# Altium PCB WS3.0_DISP.PcbDoc
Units mil, origin at the board's own origin, x right, y up, seen from the top; angles counter-clockwise.
Board outline 6000 x 4000 mil, 2 copper layers (Top Layer, Bottom Layer); 55 components, 50 nets, 262 pads, 71 vias.
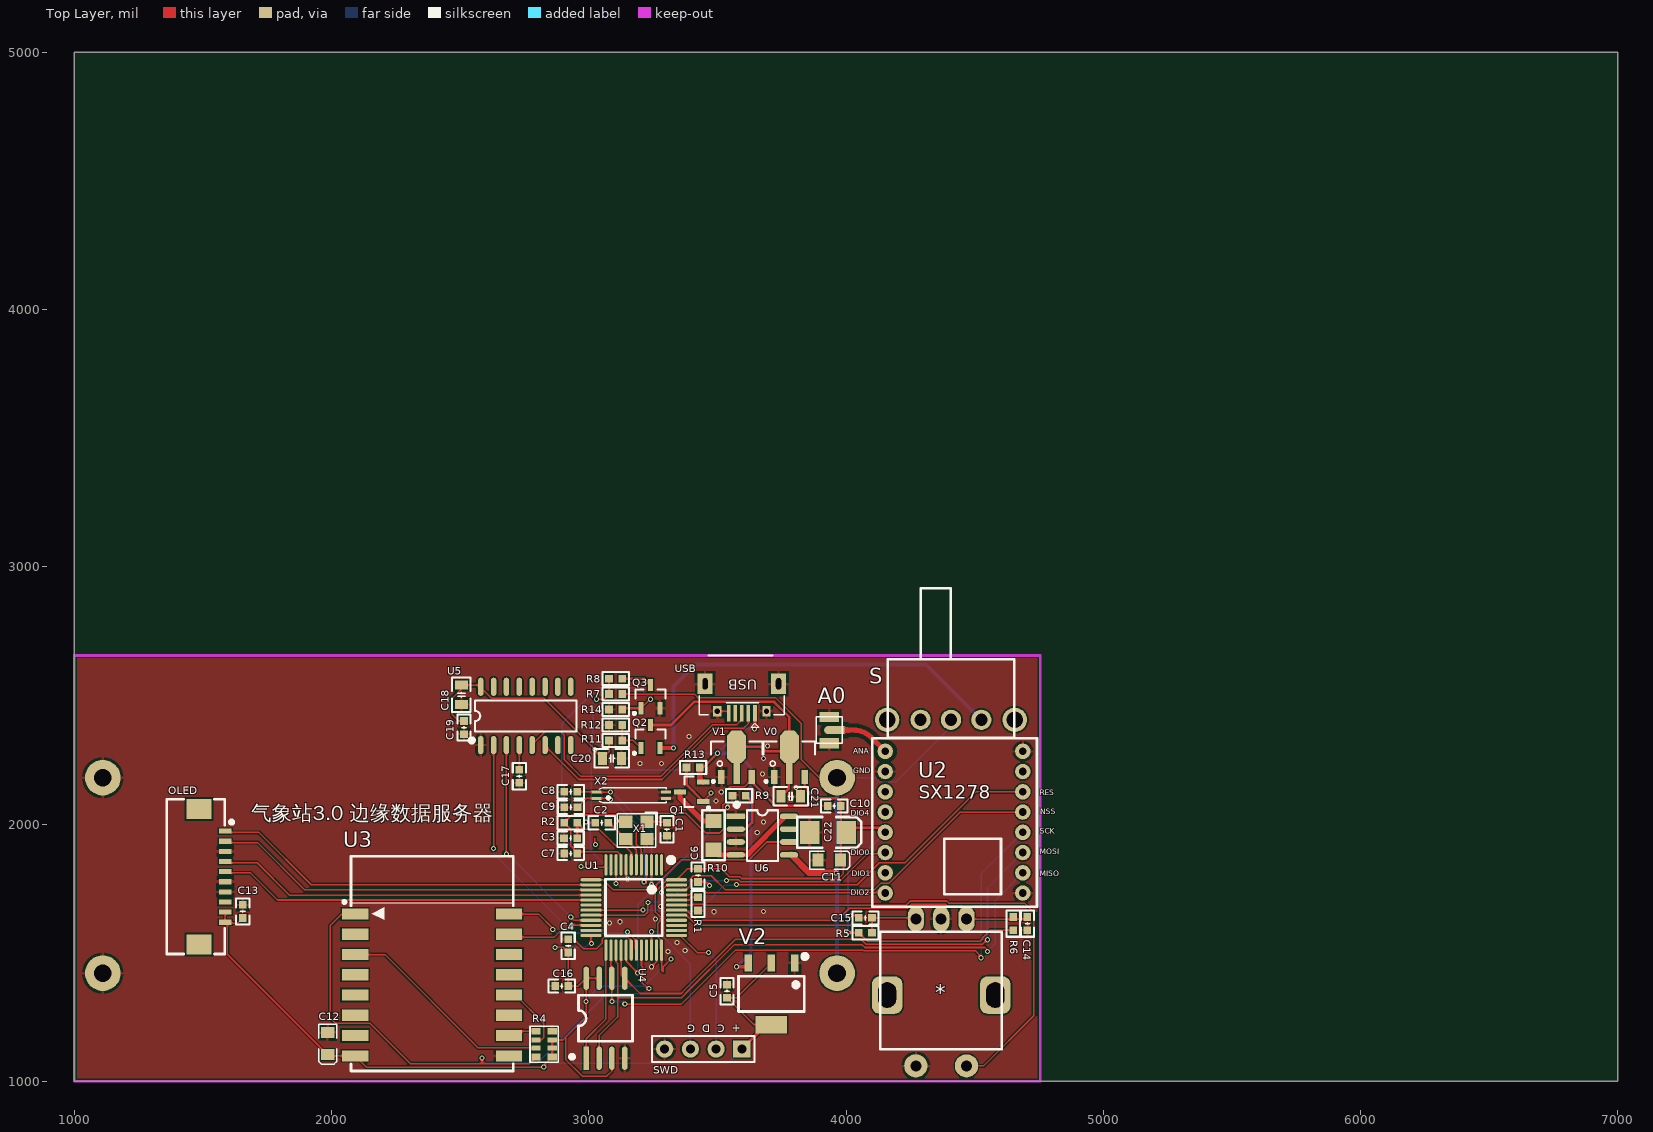
[diagram p0: Top Layer view]
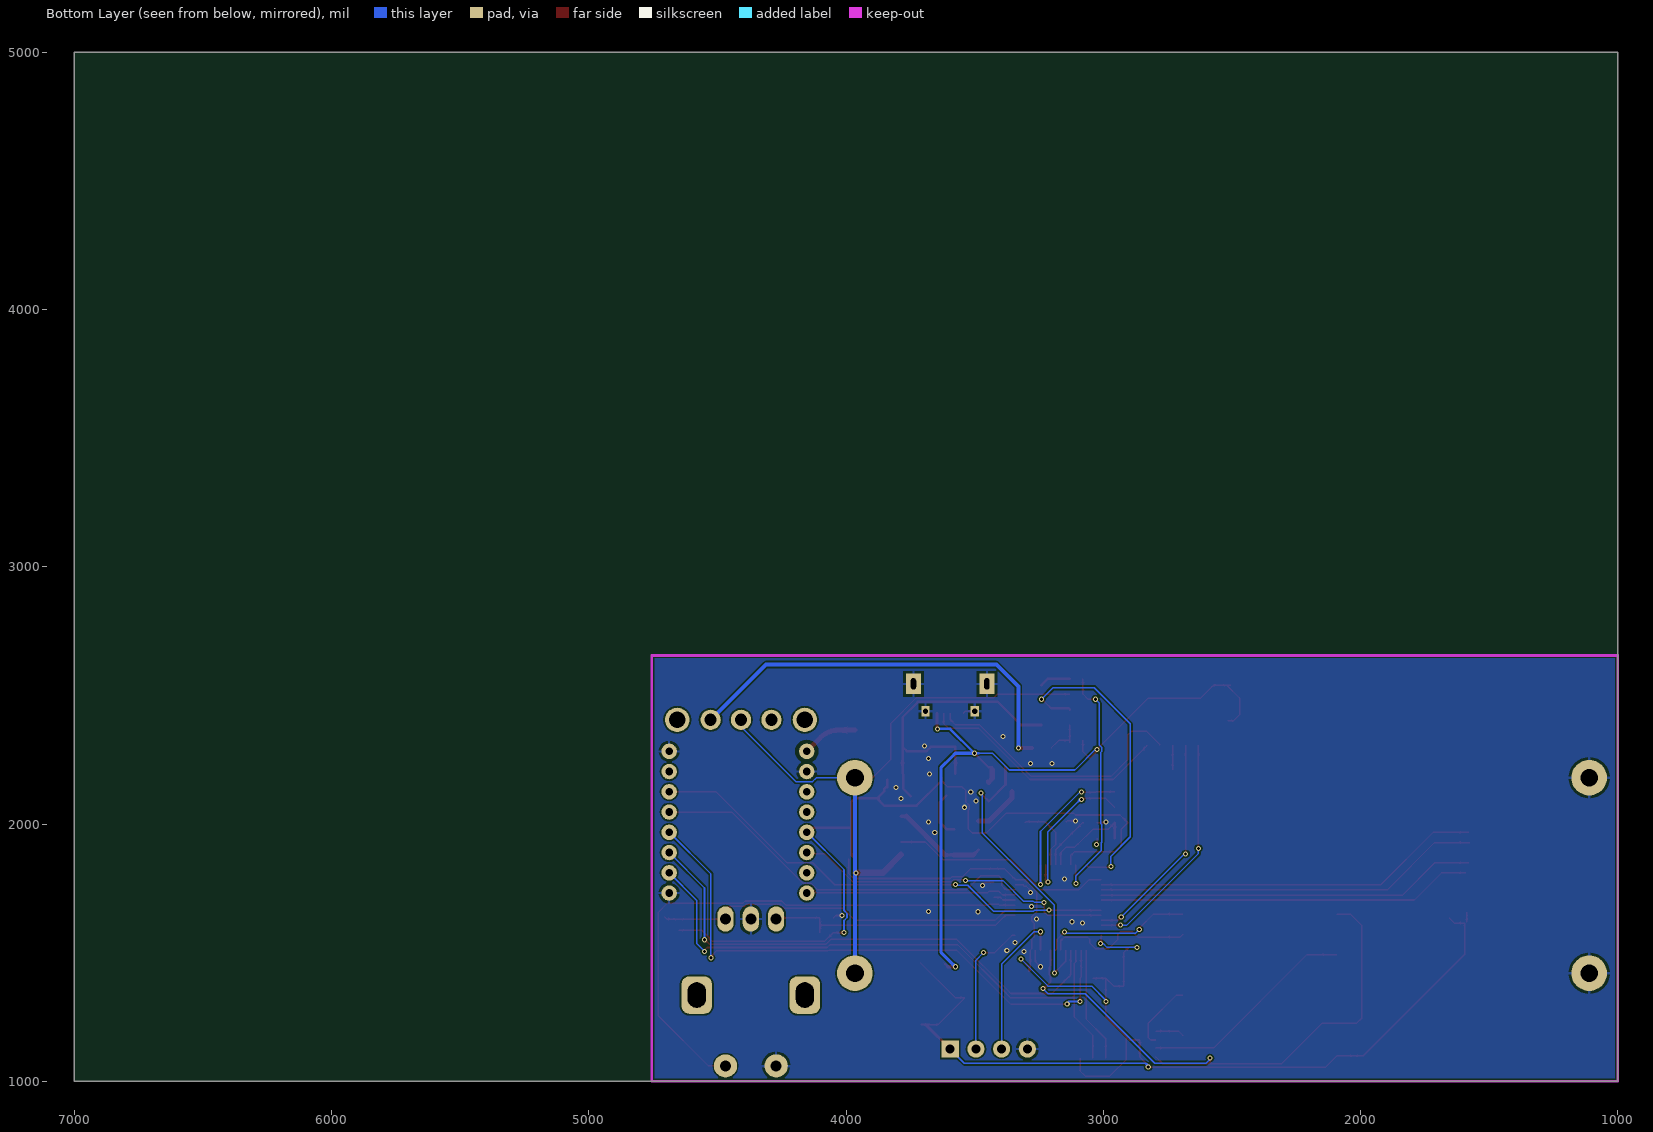
[diagram p1: Bottom Layer view, seen from below]

## Layer stack, top to bottom
Top Solder: solder mask 0.4, Solder Resist, Dk 3.5
Top Layer: signal copper 1.4
Dielectric 1: dielectric 12.6, FR-4, Dk 4.8
Bottom Layer: signal copper 1.4
Bottom Solder: solder mask 0.4, Solder Resist, Dk 3.5

## Board outline
1000,1000 7000,1000 7000,5000 1000,5000

## Design rules (kind name [scope] priority, off if disabled: settings)
Clearance Clearance_1 [InNet('NetA0_1')] p1: gap=15 ignorepadtopadclearanceinfootprint=FALSE
Clearance [All] p2: gap=6 ignorepadtopadclearanceinfootprint=FALSE
PolygonConnect PolygonConnect_1 [IsVia] p1: connectstyle=Direct reliefconductorwidth=10 reliefentries=4 polygonreliefangle="90 Angle" airgapwidth=10
PolygonConnect [All] p2: connectstyle=Relief reliefconductorwidth=10 reliefentries=4 polygonreliefangle="90 Angle" airgapwidth=10
RoutingVias [All] p1: holewidth=28 width=50 viastyle="Through Hole" minholewidth=28 minwidth=50 maxholewidth=28 maxwidth=50
SolderMaskExpansion [All] p1: expansion=4
Width [All] p1: maxlimit=120 minlimit=6 preferedwidth=10
30 further rules are at their usual default settings.

## Components (designator, comment, footprint, x,y, rotation, side; value= is the part's Value field where it differs from the comment)
* "EC11" EC11 4370,1345 r90 top
A0 "IPEX" IPEX 3935,2365 r0 top
C1 "22p" "C 0603_L" 3303.82,1979.42 r90 top
C2 "22p" "C 0603_L" 3050.59,2005 r0 top
C3 "105" "C 0603_L" 2929.41,1945 r180 top
C4 "104" "C 0603_L" 2920,1526.24 r90 top
C5 "104" "C 0603_L" 3537.47,1350 r90 top
C6 "104" "C 0603_L" 3425,1800 r270 top
C7 "104" "C 0603_L" 2930,1885 r180 top
C8 "22p" "C 0603_L" 2930,2125.17 r180 top
C9 "22p" "C 0603_L" 2930.59,2065 r180 top
C10 "104" "C 0603_L" 3954.41,2070 r180 top
C11 "10uF/6.3V" "CD S(2012)" 3935,1860 r180 top
C12 "10uF/6.3V" "CD S(2012)" 1985,1146.69 r90 top
C13 "104" "C 0603_L" 1655,1660 r270 top
C14 "104" "C 0603_L" 4705,1612.83 r270 top
C15 "104" "C 0603_L" 4075.59,1635 r0 top
C16 "104" "C 0603_L" 2895,1370 r180 top
C17 "104" "C 0603_L" 2730,2185.59 r270 top
C18 "22uF" "C 0805_L" 2505,2502.4 r90 top
C19 "104" "C 0603_L" 2515,2375 r270 top
C20 "106" "C 0805_L" 3090,2255 r0 top
C21 "106" "C 0805_L" 3785,2107.65 r0 top
C22 "220uF/6.3V" "CD B(3528)" 3930,1967.13 r180 top
OLED "FPC1.0-10P" FPC1.0-2H-WS-10P 1485,1795.16 r270 top
Q1 "AO3401" SOT23-3N 3400,2125.17 r90 top
Q2 "AO3401" SOT23-3N 3240,2340 r0 top
Q3 "AO3400" SOT23-3N 3240,2495 r0 top
R1 "10K" "R 0603_L" 3425,1689.41 r90 top
R2 "10K" "R 0603_L" 2930,2005 r0 top
R4 "4.7K" RCA-8P4R-0603 2826.5,1144.61 r90 top
R5 "10K" "R 0603_L" 4075.59,1577.18 r0 top
R6 "10K" "R 0603_L" 4650,1612.83 r270 top
R7 "100K" "R 0603_L" 3104.41,2505 r0 top
R8 "56K" "R 0603_L" 3104.41,2565 r0 top
R9 "1.2K" "R 0603_L" 3584.41,2110 r0 top
R10 "0R" "R 1206_L" 3485,1954.88 r90 top
R11 "5.6K" "R 0603_L" 3104.41,2325 r0 top
R12 "10K" "R 0603_L" 3104.41,2385 r180 top
R13 "200K" "R 0603_L" 3405.59,2220 r180 top
R14 "200K" "R 0603_L" 3104.41,2445 r0 top
S "SS-12F23" SS-12F23 4408.03,2405 r90 top
SWD "HDR-1X4" HDR2.54-LI-4P 3445,1125 r180 top
U1 "STM32F103C8" "LQFP48 7X7_M" 3175,1675 r180 top
U2 "SX1278" SX1278 4425,2020 r90 top
U3 "ESP8266-07" ESP-07 2390.79,1457.05 r0 top
U4 "W25Q128" SOP8W_N 3065,1245 r90 top
U5 "CH340C" SOP16_N 2755,2420 r90 top
U6 "TP4056" SOP8_N 3675,1955 r0 top
USB "USB-5P" USB-MICRO_A 3595,2545 r180 top
V0 "HT7333" SOT89_N 3780,2260 r0 top
V1 "HT7333" SOT89_N 3574.7,2260 r0 top
V2 "AMS1117-3V3" SOT223_L 3710,1340 r180 top
X1 "8M" "OSC 3225-4P" 3185,1975 r180 top
X2 "32.768kHz" "OSC MC-146" 3165.82,2111.8 r0 top

## Footprints (in the part's own frame and the unit in brackets; to place one, negate y for a bottom-side part, rotate by r counter-clockwise, add the part's x,y. Pads: shape width x height; smd on the part's side, far side on the other; paste and mask are expansions set on the pad)
"C 0603_L" [mil] "无极性贴片电容"
  rect 30x30 smd: 1(-25.59,0) 2(25.59,0)
  silkscreen extent -51,-26 51,26, body extent -31,-16 31,16, height 32
"C 0805_L" [mil] "无极性贴片电容"
  rect 35x50 smd: 1(-37.4,0) 2(37.4,0)
  silkscreen extent -67,-36 67,36, body extent -39,-24 39,24, height 20
"CD B(3528)" [mil] "长3.5mm，宽2.8mm，厚1.9mm"
  rect 75x90 smd: 1(-70.87,-0.01) 2(70.86,-0.01)
  silkscreen extent -130,-60 120,60, body extent -69,-55 69,55, height 75
"CD S(2012)" [mm] "长2.0mm，宽1.25mm，厚1.2mm"
  rect 1.1x1.3 smd: 1(-1.1,0) 2(1.1,0)
  silkscreen extent -2.03,-0.89 1.91,0.89, body extent -1,-0.6 1,0.6, height 1.2
EC11 [mm] "数字开关编码器"
  rrect50% 3.7x3 hole 1.8 slot 2.5 at 0 deg: 0(-0.254,5.334) 0(-0.254,-5.334)
  round 2.3 hole 1.1: 1(-7.25,2.5) 2(-7.25,-2.5)
  oval 2.5x1.6 hole 1.1: A(7.25,-2.5) B(7.25,2.5) C(7.25,0)
  silkscreen extent -5.59,-6 6,6, body extent -7.35,-6.24 7.45,6.24, height 22
ESP-07 [mm] "ESP-07"
  rect 2.6x1.1 smd: 1(-7.6,4.9) 2(-7.6,2.9) 3(-7.6,0.9) 4(-7.6,-1.1) 5(-7.6,-3.1) 6(-7.6,-5.1) 7(-7.6,-7.1) 8(-7.6,-9.1) 9(7.6,-9.1) 10(7.6,-7.1) 11(7.6,-5.1) 12(7.6,-3.1) 13(7.6,-1.1) 14(7.6,0.9) 15(7.6,2.9) 16(7.6,4.9)
  silkscreen extent -8.81,-10.6 8,10.6, body extent -8.01,-10.6 8.01,10.6, height 3.3
FPC1.0-2H-WS-10P [mm] "翻盖FPC，脚距1mm，不含脚（长14.9mm，宽5.2mm，高1.96mm）"
  rect 2x2.5 smd: 0(-6.69,0) 0(6.69,0)
  rect 0.5x1.25 smd: 1(-4.5,2.575) 2(-3.5,2.575) 3(-2.5,2.575) 4(-1.5,2.575) 5(-0.5,2.575) 6(0.5,2.575) 7(1.5,2.575) 8(2.5,2.575) 9(3.5,2.575) 10(4.5,2.575)
  silkscreen extent -7.64,-3.18 7.64,3.31, body extent -7.45,-3.15 7.45,2.85, height 2
HDR2.54-LI-4P [mm] "排针，4脚"
  rect 1.7x1.7 hole 0.9: 1(-3.81,0)
  round 1.7 hole 0.9: 2(-1.27,0) 3(1.27,0) 4(3.81,0)
  silkscreen extent -5.08,-1.27 5.08,1.27, body extent -5.08,-1.27 5.08,1.27, height 8.5
IPEX [mm]
  oval 1x0.8 smd: 1(0,0)
  rect 1.5x0.8 smd: 1(0.762,0)
  rect 1.9x1 smd: 2(0,1.3) 3(0,-1.3)
  silkscreen extent -1.3,-1.3 1.3,1.3
"LQFP48 7X7_M" [mm] "48脚，体宽7x7mm，脚距0.5mm"
  oval 0.3x2.1 smd: 1(-2.75,-4.227) 2(-2.25,-4.227) 3(-1.75,-4.227) 4(-1.25,-4.227) 5(-0.75,-4.227) 6(-0.25,-4.227) 7(0.25,-4.227) 8(0.75,-4.227) 9(1.25,-4.227) 10(1.75,-4.227) 11(2.25,-4.227) 12(2.75,-4.227) 25(2.75,4.202) 26(2.25,4.202) 27(1.75,4.202) 28(1.25,4.202) 29(0.75,4.202) 30(0.25,4.202) 31(-0.25,4.202) 32(-0.75,4.202) 33(-1.25,4.202) 34(-1.75,4.202) 35(-2.25,4.202) 36(-2.75,4.202)
  oval 2.1x0.3 smd: 13(4.227,-2.75) 14(4.227,-2.25) 15(4.227,-1.75) 16(4.227,-1.25) 17(4.227,-0.75) 18(4.227,-0.25) 19(4.227,0.25) 20(4.227,0.75) 21(4.227,1.25) 22(4.227,1.75) 23(4.227,2.25) 24(4.227,2.75) 37(-4.227,2.75) 38(-4.227,2.25) 39(-4.227,1.75) 40(-4.227,1.25) 41(-4.227,0.75) 42(-4.227,0.25) 43(-4.227,-0.25) 44(-4.227,-0.75) 45(-4.227,-1.25) 46(-4.227,-1.75) 47(-4.227,-2.25) 48(-4.227,-2.75)
  silkscreen extent -3.93,-4.95 2.79,2.79, body extent -4.5,-4.5 4.5,4.5, height 1.45
"OSC 3225-4P" [mm] "3.2*2.5*0.7mm(长宽高)"
  rect 1.3x1.2 smd: 1(-1.05,-0.85) 2(1.05,-0.85) 3(1.05,0.85) 4(-1.05,0.85)
  silkscreen extent -2.03,-1.75 1.91,1.65, body extent -1.6,-1.25 1.6,1.25, height 0.7
"OSC MC-146" [mm] "6.7mm*1.5mm*1.4mm(长*宽*高)"
  rect 1x0.3 smd: 1(-3.45,-0.3) 2(3.4,-0.3) 3(3.4,0.3) 4(-3.45,0.3)
  silkscreen extent -3.17,-0.76 3.43,0.76, body extent -3.45,-0.75 3.45,0.75, height 1.45
"R 0603_L" [mil] "1/10W贴片电阻"
  rect 30x30 smd: 1(-25.59,0) 2(25.59,0)
  silkscreen extent -51,-26 51,26, body extent -31,-16 32,16, height 16
"R 1206_L" [mil] "1/4W贴片电阻"
  rect 55x62 smd: 1(-55.12,0) 2(57.09,0)
  silkscreen extent -96,-44 98,44, body extent -63,-31 63,32, height 22
RCA-8P4R-0603 [mm] "3.2mm*1.6mm*0.6mm(长*宽*厚)"
  rect 0.65x0.9 smd: 1(-1.28,-0.8) 4(1.28,-0.8) 5(1.28,0.8) 8(-1.28,0.8)
  rect 0.5x0.9 smd: 2(-0.4,-0.8) 3(0.4,-0.8) 6(0.4,0.8) 7(-0.4,0.8)
  silkscreen extent -1.78,-1.4 1.78,1.4, body extent -1.6,-0.8 1.6,0.8, height 0.6
SOP8_N [mm] "5*6*1.8mm（长宽高）"
  rect 1.8x0.55 smd: 1(-2.625,1.905)
  oval 1.8x0.55 smd: 2(-2.625,0.635) 3(-2.625,-0.635) 4(-2.625,-1.905) 5(2.625,-1.905) 6(2.625,-0.635) 7(2.625,0.635) 8(2.625,1.905)
  silkscreen extent -2.69,-2.5 1.52,3.2, body extent -3,-2.5 3,2.5, height 1.9
SOP8W_N [mm] "5.3*8.3*1.8mm（长宽高）"
  rect 2.3x0.55 smd: 1(-3.95,1.905)
  oval 2.3x0.55 smd: 2(-3.95,0.635) 3(-3.95,-0.635) 4(-3.95,-1.905) 5(3.95,-1.905) 6(3.95,-0.635) 7(3.95,0.635) 8(3.95,1.905)
  silkscreen extent -3.94,-2.67 2.29,3.43, body extent -3.94,-2.64 3.94,2.64, height 1.9
SOP16_N [mm] "10.3*6.2*1.8mm（长宽高）"
  oval 1.8x0.55 smd: 1(-2.877,4.445) 2(-2.877,3.175) 3(-2.877,1.905) 4(-2.877,0.635) 5(-2.877,-0.635) 6(-2.877,-1.905) 7(-2.877,-3.175) 8(-2.877,-4.445) 9(2.877,-4.445) 10(2.877,-3.175) 11(2.877,-1.905) 12(2.877,-0.635) 13(2.877,0.635) 14(2.877,1.905) 15(2.877,3.175) 16(2.877,4.445)
  silkscreen extent -2.57,-5 1.52,5.49, body extent -3,-5 3,5, height 1.9
SOT23-3N [mm] "3x1.3x1mm(长宽高)"
  rect 0.5x1.2 smd: 1(-0.95,-1.143) 2(0.95,-1.143) 3(0,1.143)
  silkscreen extent -1.72,-1.78 1.5,0.7, body extent -1.5,-1.2 1.5,1.2, height 1.05
SOT89_N [mm] "4.6x4.3x1.6mm(长宽高)"
  rect 0.65x1.4 smd: 1(-1.5,-1.952) 3(1.5,-1.952)
  rect 0.65x2.1 smd: 2(0,-1.626)
  oct 1.9x3.2 smd: 2(0,1.016)
  silkscreen extent -2.54,-2.52 2.54,1.52, body extent -2.3,-2.4 2.3,1.9, height 1.6
SOT223_L [mm] "6.4x7x1.6mm(长宽高)"
  rect 0.75x1.7 smd: 1(-2.3,-3.048) 2(0,-3.048) 3(2.3,-3.048)
  rect 3.1x1.7 smd: 2(0,3.048)
  silkscreen extent -3.5,-3.88 3.25,1.75, body extent -3.25,-3.51 3.25,3.51, height 1.65
SS-12F23 [mm] "脚距3mm"
  round 2.4 hole 1.6: 0(0,6.3) 0(0,-6.3)
  round 2 hole 1.2: 1(0,3) 2(0,0) 3(0,-3)
  silkscreen extent -1.75,-6.25 13,6.25, body extent -0.61,-6.52 12.29,6.48, height 5.75
SX1278 [mil]
  round 60 hole 30: 1(-288.53,-262.5) 2(-209.79,-262.5) 3(-131.05,-262.5) 4(-52.31,-262.5) 5(26.43,-262.5) 6(105.17,-262.5) 7(183.91,-262.5) 8(262.65,-262.5) 9(262.65,272.5) 10(183.91,272.5) 11(105.17,272.5) 12(26.43,272.5) 13(-52.31,272.5) 14(-131.05,272.5) 15(-209.79,272.5) 16(-288.53,272.5)
  silkscreen extent -342,-318 313,322
USB-MICRO_A [mm] "micro型USB ，5.7*7.8*2.5mm"
  rect 0.35x1.6 smd: 1(-1.3,2.9) 2(-0.65,2.9) 3(0,2.9) 4(0.65,2.9) 5(1.3,2.9)
  rect 1.5x2 hole 0.5 slot 1.1 at 90 deg: 5(-3.625,0) 5(3.625,0)
  rect 0.8x1 hole 0.5: 5(-2.425,2.71) 5(2.425,2.71)
  silkscreen extent -4.19,-2.79 4.19,4.3, body extent -4,-2.71 4,2.89, height 2.8

## Part data
A0: library part SMA, "SMA-2.4G射频天线接口", BOM名称=SMA-2.4G, 学习资源=www.o
C1 C2 C3 C4 C5 C6 C7 C8 C9 C10 C13 C14 C15 C16 C17 C18 C19 C20 C21: library part C, "无极性贴片电容"
C11 C12 C22: library part C-CD, "贴片钽电容"
OLED: library part FPC-10P, "FPC连接器"
Q1 Q2: library part SI2301, "P沟道场效应管"
Q3: library part SI2302, "N沟道场效应管"
R1 R2 R5 R6 R7 R8 R9 R10 R11 R12 R13 R14: library part R, "贴片电阻"
R4: library part R-8P4R, "贴片网络排阻"
S: library part SSW-1P, "1路波动开关", 学习资源=ww
SWD: library part "Header 4", "4P接插件", 学习资源=ww
U1: "Flaah:64/RAM:20/IO:36", BOM名称=32, 学习资源=ww
U3: "串口 WIFI模块，ESP-07", BOM名称=WI, 学习资源=ww
U4: library part W25Qxx, "外置Flash", 学习资源=ww
U6: "锂电池充电管理"
USB: "微型USB母座", 学习资源=ww
V0 V1: library part HT71xx, "LDO线性稳压芯片", BOM名称=LD, 学习资源=ww
V2: library part AMS1117, "三端稳压芯片", BOM名称=ÎÈÑ, 学习资源=www.ooocke.
X1: library part XTAL-4P, "4脚无源晶振", 学习资源=ww
X2: library part XTAL-MC-4P, "MC系列4脚晶振", 学习资源=ww

## Free pads (board coordinates)
  round 138.74 hole 69.37: 3(1110.67,1419.84) 3(1110.67,2179.84) 3(3965.67,1419.84) 3(3965.67,2179.84)

## Via types
v1: diameter 19.68, hole 11.81, Top Layer to Bottom Layer, 71 vias

## Nets (pads, with @x,y where several pads share a name; then routed paths per layer and width w, separated by ;. In a path a pad name is that pad's centre, name@x,y a point inside that pad or via, vN(x,y) a via of type N, cw(c..) or ccw(c..) an arc to the next point about the centre after c; other vN are vias at no path point)
25Q_CS: U1.25 U4.1 | length 451.9
  Top Layer w6: U4.1 2990,1165 3066.73,1241.73 U1.25
8266_RST: R4.8 U1.32 U3.1 | length 2327.8
  Top Layer w6: U3.1 2040,1649.96 1995,1604.96 1995,1245 2015,1225 2150,1225 2306.87,1068.13 2585,1068.13 ; v1(2585,1090) 2585,1068.13 ; R4.8 2768.91,1068.13 2585,1068.13 ; U1.32 3205,1509.11 3205,1449.42 3208.84,1445.57 3208.84,1412.2 3205,1408.35 3205,1385 v1@3230,1360
  Bottom Layer w6: v1@2580,1090 2600,1070 2800,1070 3070,1340 3215,1340 v1(3235,1360)
8266RX: U1.30 U3.15 | length 596.2
  Top Layer w6: U3.15 2700.66,1560.56 2866.57,1560.56 2886.26,1580.24 2934.31,1580.24 2944,1570.55 2944,1551 2980,1515 3030,1515 3051.83,1536.83 3051.83,1551.19 3061.2,1560.56 3151.01,1560.56 3165.16,1546.41 U1.30
8266TX: U1.31 U3.16 | length 574.7
  Top Layer w6: U3.16 2805.04,1649.96 v1@2860,1595 ; v1(3150,1580) 3151.25,1580 3180.06,1551.19 3180.06,1514.68 3185,1509.74 U1.31
  Bottom Layer w6: v1(2860,1590) 2875,1575 v1@3150,1575
+5: C18.2 C19.1 C20.1 Q1.2 R11.1 R13.1 U5.16 USB.1 V2.3 | length 2876.1
  Top Layer w6: C18.2 C18.2@2520,2539.8 ; C19.1 2494.41,2400.59 2470,2425 2470,2489.8 C18.2@2520,2539.8 ; U5.16 U5.16@2580,2530.62 ; R11.1 3078.82,2281.22 C20.1 3025,2282.6 v1(3025,2290) 2826.17,2488.83 2621.79,2488.83 U5.16@2580,2530.62 ; 3604.45,1445 V2.3 ; C18.2@2520,2539.8 2570.82,2539.8 U5.16@2580,2530.62
  Top Layer w10: R13.1 3445,2220 v1(3500,2275) ; Q1.2 Q1.2@3451.21,2168.79 ; v1@3646.18,2376.18 USB.1
  Top Layer w12: v1(3575,1445) 3604.45,1445
  Top Layer w20: R13.1@3431.18,2211.18 3431.18,2176.39 Q1.2
  Bottom Layer w6: v1@3025,2295 3110,2210 3365,2210 3430,2275 v1(3500,2275)
  Bottom Layer w10: v1(3500,2275) 3595,2370 v1(3645,2370)
  Bottom Layer w12: v1(3500,2275) 3575,2275 3590,2260 3630,2220 3630,1500 v1(3575,1445)
BAT_ADC: R7.1 R8.1 U1.10 | length 953.2
  Top Layer w6: v1(3030,2485) 3058.82,2485 R7.1 R8.1 ; v1@3106.1,1774.41 U1.10
  Bottom Layer w6: v1(3030,2485) 3015.33,2470.33 3015.33,2306.98 3006.16,2297.8 3006.16,2282.2 3008.84,2279.51 3008.84,2000.66 3006.16,1997.97 3006.16,1929.23 3008.07,1927.32 3008.07,1896.93 3106.1,1798.9 v1(3106.1,1769.41)
BAT_ADC_EN: Q3.1 R14.2 U1.12 | length 1237.2
  Top Layer w6: v1@2967.5,1832.5 3057.82,1832.5 U1.12 ; Q3.1 3237.6,2485 v1(3240,2485)
  Top Layer w10: R14.2 3135,2450 Q3.1
  Bottom Layer w6: v1(2970,1835) 2970,1875 2895,1950 2895,2390 3035,2530 3195,2530 v1(3240,2485)
CH340_RX: U1.21 U5.3 | length 859.8
  Top Layer w6: v1@2680,1885 U5.3 ; v1(2930,1638.43) 2942.64,1625.79 U1.21
  Bottom Layer w6: v1@2679.48,1888.95 v1(2930,1638.43)
  other v1: 2679.48,1883.95
CH340_TX: U1.22 U5.2 | length 910.8
  Top Layer w6: v1@2630,1910 U5.2 ; v1(2932.82,1607.18) 3007.5,1607.18 U1.22
  Bottom Layer w6: v1(2630,1905) 2630,1885 2907.82,1607.18 v1(2932.82,1607.18)
CHARGE_EN: Q1.1 R13.2 U1.29 | length 1124.7
  Top Layer w6: U1.29 3145.47,1466.26 3186.73,1425 v1@3190,1425 ; Q1.1 v1@3476.59,2119.36
  Top Layer w10: R13.2 3380,2152.77 Q1.1
  Bottom Layer w6: v1(3190,1420) 3190,1684.77 3470,1964.77 v1@3470,2120
  other v1: 3475,2120
CHG_OVER: U1.13 U6.6 | length 875.5
  Top Layer w6: U1.13 3055.63,1783.27 3095,1743.9 3248.25,1743.9 3250.82,1746.47 3251.7,1746.47 3262.74,1757.51 3262.74,1764.41 3267.08,1768.74 3267.32,1768.74 3358.75,1860.17 3622.04,1860.17 3691.87,1930 U6.6@3786.69,1930
G0: R4.6 U3.12 | length 269.6
  Top Layer w6: U3.12 2715,1335 2825,1225 2825,1170 2815.35,1160.35 R4.6
G15: R4.5 U3.10 | length 112.2
  Top Layer w6: U3.10 2707.48,1195 R4.5
GND: *.1 *.C A0.2 A0.3 C1.1 C2.1 C3.2 C4.2 C5.2 C6.2 C7.2 C8.2 C9.2 C10.2 C11.2 C12.2 C13.1 C14.2 C15.1 C16.2 C17.2 C18.1 C19.2 C20.2 C21.2 C22.2 OLED.3 OLED.6 OLED.7 pad.3@1110.67,1419.84 pad.3@1110.67,2179.84 Q3.2 R1.1 R4.4 R9.1 R12.2 R14.1 SWD.4 U1.8 U1.23 U1.35 U1.47 U2.1 U2.8 U2.10 U3.9 U4.4 U5.1 U6.1 U6.3 USB.5 V0.1 V1.1 V2.1 X1.2 X1.4 X2.2 X2.3 | length 361.7
  Top Layer w6: v1(2990,2008.46) 2993.47,2005 C2.1 ; v1(3108.26,2011.97) 3140.16,2011.97 X1.2 ; v1(3243.9,1445) 3263.58,1464.69 U1.35 ; v1(3281.92,1733.08) 3281.92,1740.92 3299.81,1758.8 3307.65,1758.8 3308.58,1759.73 3308.58,1763.58 U1.47 ; C6.2 3456.74,1774.41 v1(3470,1761.16) ; USB.5@3499.53,2438.31 3536.34,2438.31 USB.5@3543.82,2430.83 ; v1(4015,1644.18) 4040.82,1644.18 C15.1
  other v1: 3308.58,1503.85 3375,1508.58 3343.46,1540 3080,1615 3121.27,1620 3258.94,1631.3 3486.42,1658.82 3680,1660 3278.98,1680 3150.47,1785.76 3655,1967.69 3680,2008.46 3540,2065 3495,2090 3785.83,2099.06 3515,2123.62 3805,2142.65 3675,2195 3200,2235 3283.27,2235 3680,2254.32 3695.67,2303.82 3390,2340
KNOB_A: *.A C14.1 R6.1 U1.42 | length 1452.2
  Top Layer w6: U1.42 3380.5,1665.16 3420.66,1625 3964.84,1625 4012.68,1672.84 4239,1672.84 4254.8,1688.65 4386.77,1688.65 4395.84,1679.57 4450.43,1679.57 4468.43,1661.57 *.A 4697,1630.43 C14.1
KNOB_B: *.B C15.2 R5.2 U1.41 | length 1006.2
  Top Layer w6: U1.41 3379.53,1645.47 3418.91,1606.09 4101.18,1606.09 ; R5.2 4101.18,1606.09 ; *.B 4267.01,1635 C15.2 4101.18,1606.09
KNOB_SW: *.2 U1.43 | length 2159.7
  Top Layer w6: U1.43 3403.3,1684.84 3406.27,1687.82 3443.73,1687.82 3446.7,1684.84 4234.03,1684.84 4249.83,1700.65 4391.74,1700.65 4399.92,1692.47 4693.69,1692.47 4730,1656.16 4730,1255 4534.57,1059.57 *.2
NetA0_1: A0.1 U2.9 | length 217.3
  Top Layer w20: A0.1@3965,2365 4028.73,2365 cw(c4028.73,2265) 4099.44,2335.71 U2.9
NetB0_2: pad.3@3965.67,1419.84 pad.3@3965.67,2179.84 R7.2 S.2 U6.5 | length 2580.2
  Top Layer w6: R7.2 3410.66,2505 3425.66,2490 3727.52,2490 3826.4,2391.12 3826.4,2250.58 3897.14,2179.84 pad.3@3965.67,2179.84
  Top Layer w25: U6.5@3786.69,1880 3857.01,1809.69 v1(3961.34,1809.69)
  Bottom Layer w6: pad.3@3965.67,2179.84 4115.16,2179.84 4130.09,2164.91 4168.65,2164.91 4168.74,2165 4195,2165 4408.03,2378.03 S.2
  Bottom Layer w15: pad.3@3965.67,1419.84 pad.3@3965.67,2179.84
NetC1_2: C1.2 U1.5 X1.1 | length 271.2
  Top Layer w6: U1.5 3204.53,1900.47 3185,1920 3185,1967.13 X1.1 3300.36,2008.46 C1.2
NetC2_2: C2.2 U1.6 X1.3 | length 210.9
  Top Layer w6: C2.2 3080.2,2005 X1.3 3184.84,1900.35 U1.6
NetC3_1: C3.1 R2.2 U1.7 | length 365.8
  Top Layer w6: R2.2 2980.59,1980 3040,1980 3098,1922 3099,1922 3112.09,1908.91 3145.85,1908.91 3165.16,1889.61 U1.7
  Top Layer w10: C3.1 2955.59,1945.59 R2.2
NetC8_1: C8.1 U1.3 X2.4 | length 632.2
  Top Layer w6: C8.1 3028.45,2125.17 X2.4 3083.62,2123.62 v1(3085,2125) ; v1@3243.9,1770.32 U1.3
  Bottom Layer w6: v1@3085,2130 3243.9,1971.1 v1(3243.9,1765.32)
NetC9_1: C9.1 U1.4 X2.1 | length 596.4
  Top Layer w6: C9.1 2991.18,2100 X2.1 3080,2100 v1(3085,2095) ; 3223.9,1770 3224.21,1770.32 U1.4
  Bottom Layer w6: v1@3085,2100 3215,1970 v1(3215,1774.41)
NetC17_1: C17.1 U5.4 | length 95.6
  Top Layer w6: C17.1 U5.4
NetC21_1: C21.1 Q2.3 V0.2 V1.2 | length 1246.3
  Top Layer w10: Q2.3 3320,2385 3410,2475 3720,2475 3780,2415 V0.2@3780,2300 ; V1.2@3574.7,2196 3574.7,2300 3670.01,2300 3687.04,2282.98 3762.98,2282.98 V0.2@3780,2300 ; C21.1 3777.9,2137.95 3777.9,2193.9 3780,2196 V0.2@3780,2300
NetQ1_3: Q1.3 R10.2 | length 190.8
  Top Layer w20: Q1.3 3355,2101.43 3444.46,2011.97 R10.2
NetQ2_1: Q2.1 R11.2 R12.1 | length 155
  Top Layer w6: R11.2@3130,2315 R11.2 ; R12.1 R11.2 ; Q2.1 3172.6,2325 R11.2
NetQ2_2: Q2.2 S.3 | length 1608
  Top Layer w15: Q2.2 v1(3330,2295)
  Bottom Layer w15: v1@3330,2300 3330,2535 3415,2620 4311.14,2620 S.3
NetQ3_3: Q3.3 R8.2 | length 120.4
  Top Layer w10: R8.2 3215,2565 Q3.3
NetR1_2: R1.2 U1.44 | length 87.9
  Top Layer w6: U1.44 3390,1704.53 3400.47,1715 R1.2
NetR4_7: R4.7 U3.3 | length 854.4
  Top Layer w6: U3.3 2207.52,1492.48 2570.57,1129.43 2795,1129.43 R4.7
NetR9_2: R9.2 U6.2 | length 180.7
  Top Layer w10: U6.2@3580,1980 3609.99,1980 3635,2005.01 3635,2085 R9.2
NetR10_1: R10.1 U6.4 U6.8 | length 372
  Top Layer w10: R10.1 R10.1@3504.76,1880 ; U6.4@3580,1880 3615,1880 ; U6.8@3765,2030 U6.8@3786.69,2030
  Top Layer w20: R10.1@3504.76,1880 U6.4@3580,1880 ; 3615,1880 U6.8@3765,2030
NetSWD_2: SWD.2 U1.37 | length 538.7
  Top Layer w6: U1.37 3355.12,1566.73 3421.85,1500 v1(3465,1500)
  Bottom Layer w6: v1(3465,1500) 3495,1470 SWD.2
NetSWD_3: SWD.3 U1.34 | length 609.9
  Top Layer w6: U1.34 v1(3243.9,1581.1) v1@3243.9,1586.1
  Bottom Layer w6: v1(3243.9,1581.1) 3268.9,1581.1 3395,1455 SWD.3
NetU5_5: U5.5 USB.3 | length 1083.5
  Top Layer w6: U5.5 2780,2309.38 2830.62,2360 2890,2360 2904.41,2345.59 2904.41,2250.59 2970,2185 3280,2185 3480,2385 3574.7,2385 3595,2405.3 USB.3
NetU5_6: U5.6 USB.2 | length 977.6
  Top Layer w6: U5.6 2830,2304.09 2961.09,2173 3284.97,2173 3484.97,2373 3602.47,2373 3620.59,2391.12 USB.2
OLED_DC: OLED.4 U1.16 | length 1481.3
  Top Layer w6: OLED.4@1580,1849.06 1710.94,1849.06 1837,1723 3007.37,1723 U1.16
OLED_RES: OLED.5 U1.17 | length 1462.1
  Top Layer w6: OLED.5@1590,1809.69 1685,1809.69 1790.16,1704.53 U1.17
OLED_SCK: OLED.2 U1.15 | length 1509.8
  Top Layer w6: OLED.2@1575,1927.8 1712.2,1927.8 1896.1,1743.9 U1.15
OLED_SDI: OLED.1 U1.14 | length 1512.9
  Top Layer w6: OLED.1@1580,1967.17 1717.83,1967.17 1921.42,1763.58 U1.14
SPI_MISO: U1.27 U2.2 U4.2 | length 2345.9
  Top Layer w6: U4.2 3040,1177.52 3112.09,1249.61 3112.09,1325 ; U1.27 3106.1,1463.9 3112.09,1457.91 3112.09,1325 ; v1@4550,1510 4540.18,1519.82 4073.42,1519.82 4063.24,1530 3565,1530 3376.59,1341.59 3376.59,1341.3 3360.29,1325 3112.09,1325
  Bottom Layer w6: v1(4550,1505) 4580,1535 4580,1702.71 U2.2
SPI_MOSI: U1.28 U2.3 U4.5 | length 2049
  Top Layer w6: U1.28 3125.79,1414.73 U4.5 3199.51,1341 3359.32,1341 3364.59,1346.28 3364.59,1346.56 3569.12,1551.09 4059.12,1551.09 4078.39,1531.82 4529.99,1531.82 v1@4550,1551.83
  Bottom Layer w6: v1(4550,1550) 4550,1751.45 U2.3
SPI_SCK: U1.26 U2.4 U4.6 | length 2285.9
  Top Layer w6: U1.26 3085.94,1509.11 3085.94,1404.57 U4.6 v1@3090,1315 ; v1(3140,1300) 3360,1300 3570,1510 4066.27,1510 4068.45,1507.82 4502.18,1507.82 v1@4525,1485
  Bottom Layer w6: v1(3090,1310) 3135,1310 v1@3140,1305 ; v1(4525,1480) 4525,1805.19 U2.4
SX_CS: U1.46 U2.5 | length 1531.2
  Top Layer w6: U1.46 3378.24,1743.9 3395,1760.65 3395,1787.14 3406.27,1798.41 3476.59,1798.41 3530,1745 4110.88,1745 4136.35,1770.47 4167.91,1770.47 4443.88,2046.43 U2.5
SX_DIO0: U1.20 U2.14 | length 1267.2
  Top Layer w6: U1.20 3217.12,1645.47 3228.84,1657.2 v1@3228.84,1690.82 ; v1@3535,1780.53 3537.47,1783 3566.64,1783 3566.89,1783.26 3582.5,1783.26 3589.57,1776.19 3975.22,1776.19 4083.95,1884.92 4148.47,1884.92 U2.14
  Bottom Layer w6: v1(3230,1695) 3267.34,1695 3271.18,1698.84 3308.84,1698.84 3390,1780 v1(3535,1780)
SX_DIO2: U1.45 U2.16 | length 826.1
  Top Layer w6: U1.45 3391.48,1724.21 3406.27,1739 3443.73,1739 3449.73,1733 4115.85,1733 4122.85,1740 4143.97,1740 U2.16
SX_RES: U1.19 U2.6 | length 1873.5
  Top Layer w6: U1.19 3008.74,1665 v1(3210,1665) ; v1@3575,1765.32 3576.13,1764.19 4044.19,1764.19 4129.06,1849.06 4136.19,1849.06 4136.35,1849.21 4229.21,1849.21 4505.17,2125.17 U2.6
  Bottom Layer w6: v1(3210,1665) 3267.34,1665 3271.18,1661.16 3426.16,1661.16 3526.68,1761.68 3527.2,1761.16 3571.44,1761.16 v1(3574.7,1764.41)
VCC: C4.1 C5.1 C6.1 C7.1 C10.1 C11.1 C12.1 C13.2 C16.1 C22.1 OLED.9 OLED.10 R2.1 R4.1 R4.2 R4.3 R5.1 R6.2 SWD.1 U1.9 U1.24 U1.36 U1.48 U2.13 U3.8 U4.3 U4.7 U4.8 V0.3 V1.3 V2.2 | length 9303
  Top Layer w6: OLED.10 OLED.9 ; C13.2 1635.58,1615 1595,1615 1595,1493.39 C12.1 1989.61,1098.78 U3.8 2135.35,1055 2818.78,1055 R4.1 R4.2 R4.3 2899.57,1160.35 2910,1170.79 ; v1(2869.41,1520) 2900.65,1520 C4.1 ; C4.1@2920.59,1500.65 C16.1 2959.49,1370 U4.8 ; U1.24 3008.58,1536.42 v1(3010,1535) ; U4.7 U4.8 ; U4.3 3090,1040 3070,1020 2975,1020 2910,1085 2910,1170.79 ; U1.9 3125.79,1878.24 3111.9,1892.13 2952.87,1892.13 2930,1915 2930,1979.41 R2.1 2934.41,2035 3108.26,2035 3114.34,2041.09 3378.91,2041.09 3455,1965 3509.26,1965 3525,1980.74 3525,2053.35 3521.16,2057.2 3521.16,2072.8 3533.84,2085.49 3533.84,2128.84 3550,2145 3605.92,2145 3629.06,2168.13 V1.3@3629.06,2183.13 ; v1(3320,1475) 3290,1445 3290,1425 3283.27,1431.73 U1.36 3278.49,1514.36 3278.49,1551.19 3268.9,1560.78 3268.9,1614.61 3277.78,1623.49 3277.78,1639.1 3258.94,1657.94 3258.94,1736.74 3274.74,1752.54 3274.74,1753.42 3304.59,1783.27 U1.48 3383.74,1825.59 C6.1 3516.05,1825.59 3546.65,1795 3561.67,1795 3561.92,1795.26 3587.47,1795.26 3594.54,1788.19 3970.25,1788.19 3990,1807.94 C11.1@3990,1865 ; V2.2@3710,1220 3690,1220 3641.88,1220 C5.1 3574.41,1324.41 V2.2@3710,1460 ; C11.1@3973.66,1880 3980,1886.34 ; v1(4007.75,1578.4) 4008.96,1577.18 R5.1 4083.36,1543.82 4521.37,1543.82 4531.16,1553.6 4531.16,1557.8 4560.6,1587.25 R6.2 ; 2910,1170.79 2990,1250.79 U4.8
  Top Layer w10: V1.3@3629.06,2168.13 3725.54,2071.65 3851.65,2071.65 3880,2100 ; V0.3@3839.06,2172.33 3839.06,2143.65 3844.45,2143.65 3850.9,2137.2 3850.9,2129.1 3880,2100 ; 3875,2100 3880,2100 ; C11.1@3967.5,1867.5 3980,1880 3980,1886.34 C22.1@3980,1985 ; U2.13 4135.19,1985 C22.1@3980,1985 ; 3880,2100 3880.53,2099.47 3965.53,2099.47 3980,2085 C10.1 C22.1@3980,1985
  Top Layer w12: SWD.1 V2.2@3690,1220
  Bottom Layer w6: v1@2822.5,1057.5 2835,1070 3540,1070 SWD.1 ; v1(2869.41,1520) 2985,1520 3000,1535 v1(3010,1535) ; v1@2990,1315 3045,1370 3215,1370 v1(3320,1475) ; v1(4007.75,1578.4) 4007.75,1625.33 4007.2,1625.33 3996.16,1636.37 3996.16,1651.98 4007.2,1663.02 4007.75,1663.02 4007.75,1822.94 U2.13
  other v1: 2825,1055 2990,1310
pads on no net: *.0 OLED.0 OLED.8 S.0 S.1 U1.1 U1.2 U1.11 U1.18 U1.33 U1.38 U1.39 U1.40 U2.7 U2.11 U2.12 U2.15 U3.2 U3.4 U3.5 U3.6 U3.7 U3.11 U3.13 U3.14 U5.7 U5.8 U5.9 U5.10 U5.11 U5.12 U5.13 U5.14 U5.15 U6.7 USB.4
copper on no net: | length 26.8
  Top Layer w6: 3023.82,1945 3023.82,1922.6 v1(3026.91,1919.51)

## Polygon pours and split planes (outlines as drawn)
GND on Top Layer "Top Layer-GND" (solid, pour order 12): 1000,2655 4755,2655 4755,1000 1000,1000
GND on Bottom Layer "Bottom Layer-GND" (solid, pour order 14): 1000,2655 4755,2655 4755,1000 1000,1000

## Keep-outs
Keep-Out Layer:
  lines w10: 1000,1000 4755,1000 4755,2655 1000,2655 1000,1000

## Silkscreen, mask and mechanical layers (free items; w line width, h text height)
Top Overlay:
  text "气象站3.0 边缘数据服务器" at 1687.34,1995 h100
  text "+  C  D  G" at 3590,1220 h30 r180
Top Solder:
  drawing of 1345 lines, arcs and shapes, not listed
  text "GIE Studio" at 1704.34,2219.5 h40
  text "2020-12-09" at 1700.34,2160 h40
  text "Designed by LinZi" at 1697.69,2095 h40
  text "433MHz & 2.4GHz WiFi" at 1025,1215 h40
  text "Based on Huawei OceanConnect" at 1025,1155 h30

## Text inside footprints (layer, text, board x,y; h text height)
U2: Top Overlay "ANA" at 4027.5,2272.65 h20.63; Top Overlay "RES" at 4752.5,2112.65 h20.63; Top Overlay "MOSI" at 4752.5,1882.65 h20.63; Top Overlay "MISO" at 4752.5,1797.65 h20.63; Top Overlay "GND" at 4027.5,2197.65 h20.63; Top Overlay "DIO4" at 4017.5,2032.65 h20.63; Top Overlay "DIO0" at 4017.5,1877.65 h20.63; Top Overlay "DIO1" at 4022.5,1797.65 h20.63; Top Overlay "DIO2" at 4017.5,1722.65 h20.63; Top Overlay "SCK" at 4753.71,1962.65 h20.63; Top Overlay "NSS" at 4754.24,2037.65 h20.63